# KiCad board reform2-motherboard.kicad_pcb (continued)
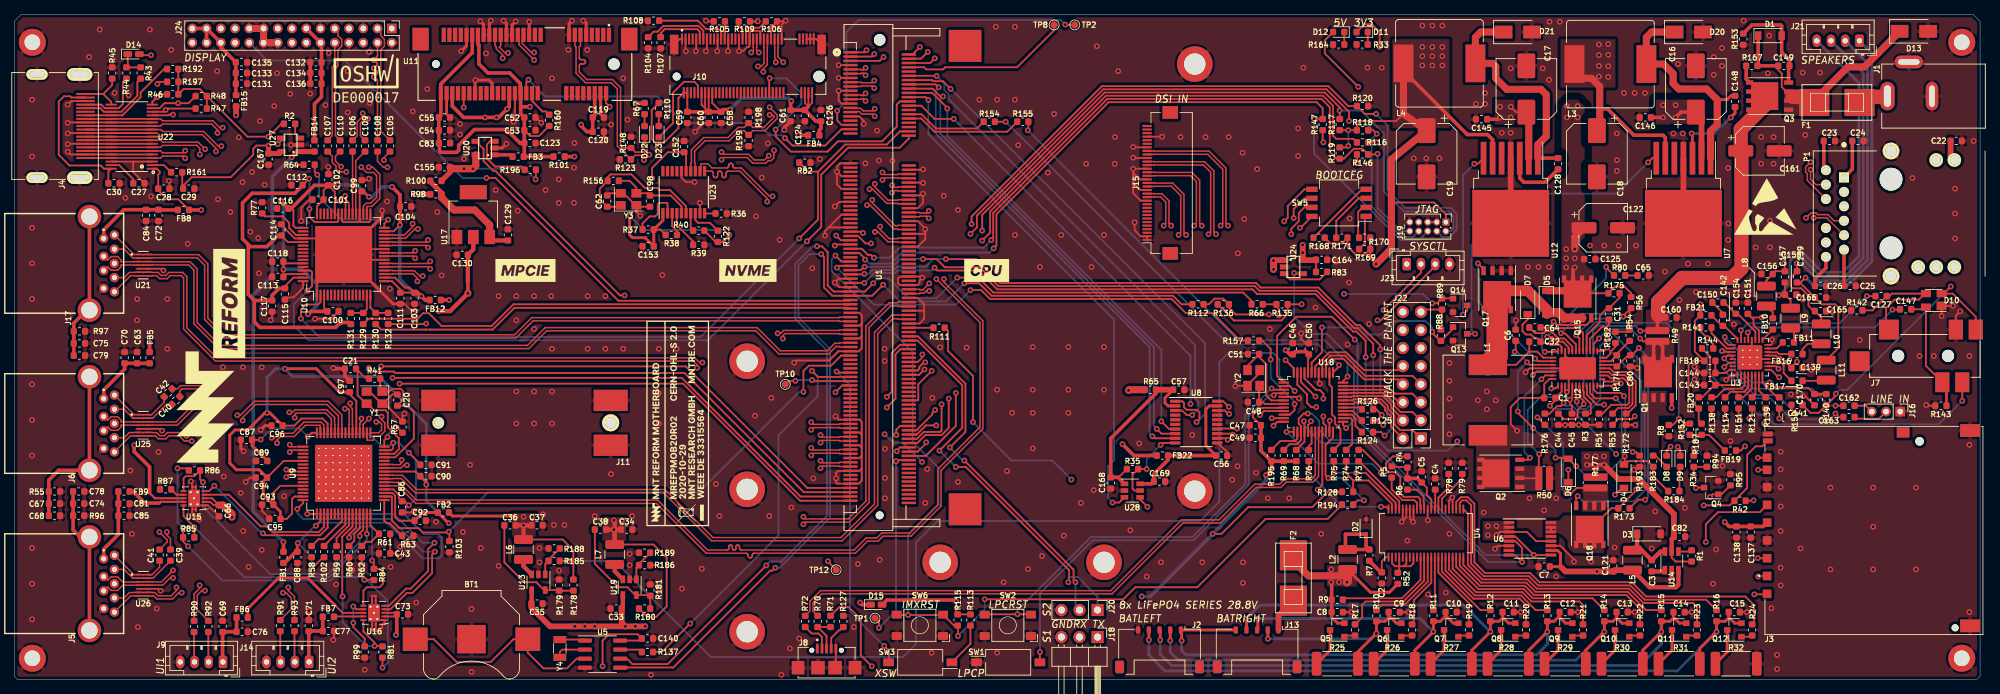
[diagram p0: board, top side]
## Nets (continued)
GND: BT1.2 C2.2 C4.2 C5.2 C6.1 C7.2 C8.2 C9.2 C10.2 C11.2 C12.2 C13.2 C14.2 C15.2 C16.2 C17.2 C18.2 C19.2 C20.2 C21.2 C22.2 C23.2 C24.2 C25.2 C26.2 C27.1 C28.1 C29.2 C30.2 C33.2 C34.2 C35.2 C37.2 C43.2 C44.1 C45.1 C46.2 C47.2 C48.2 C49.2 C50.2 C51.2 C52.2 C53.2 C54.2 C55.2 C56.2 C57.2 C58.2 C59.2 C60.2 C61.2 C62.2 C63.2 C65.1 C66.2 C67.2 C68.2 C69.2 C70.2 C71.2 C72.2 C73.2 C74.2 C75.2 C76.2 C77.2 C78.2 C79.2 C80.1 C81.2 C82.1 C83.2 C84.2 C85.2 C86.2 C87.2 C88.2 C89.2 C90.2 C91.2 C92.2 C93.2 C94.2 C95.2 C96.2 C97.2 C98.2 C99.2 C100.2 C101.2 C102.2 C103.2 C104.2 C111.2 C112.2 C113.2 C114.2 C115.2 C116.2 C117.2 C118.2 C119.2 C120.2 C121.1 C122.2 C123.2 C124.2 C125.2 C126.2 C129.2 C130.2 C131.2 C132.2 C133.2 C134.2 C135.2 C136.2 C137.2 C138.2 C139.2 C140.1 C142.2 C143.2 C144.1 C145.1 C146.1 C150.2 C151.2 C152.2 C153.2 C154.2 C155.2 C156.2 C158.2 C160.2 C161.2 C164.2 C165.2 C166.2 C167.2 C168.2 C169.2 C170.2 D2.2 D3.2 D10.1 D13.2 D20.2 D21.2 H1.1 H2.1 H3.1 H5.1 H6.1 H7.1 H8.1 H22.1 H24.1 H25.1 H27.1 J1.2 J1.3 J2.5 J3.3 J3.6 J3.12 J3.13 J4.2 J4.5 J4.8 J4.11 J4.17 J4.SH J5.4 J5.7 J6.4 J6.7 J7.4 J8.5 J8.6 J9.4 J10.1 J10.3 J10.9 J10.15 J10.21 J10.27 J10.33 J10.39 J10.45 J10.51 J10.57 J10.71 J10.73 J10.75 J10.S1 J10.S2 J11.1 J11.2 J11.3 J11.4 J14.4 J15.1 J15.2 J15.12 J15.15 J15.18 J15.21 J15.24 J15.27 J15.30 J16.1 J17.4 J17.7 J18.3 J19.3 J19.5 J19.9 J20.3 J22.16 J23.4 J24.2 J24.5 J24.8 J24.11 J24.18 J24.19 J24.20 J24.21 P1.SH1 P1.SH2 Q4.2 Q13.2 Q14.2 Q17.1 Q17.2 Q17.3 R3.1 R8.1 R32.1 R33.1 R36.1 R39.1 R45.2 R50.2 R51.1 R55.2 R57.2 R58.2 R59.2 R60.2 R62.2 R63.2 R77.1 R78.2 R79.2 R82.2 R87.2 R94.1 R95.1 R96.2 R97.2 R99.2 R103.1 R104.2 R105.2 R106.2 R107.2 R108.2 R109.2 R120.2 R123.1 R127.1 R142.2 R143.2 R148.1 R153.1 R164.1 R172.2 R179.2 R181.2 R188.2 R189.2 R193.1 R198.1 R199.1 SW1.1 SW2.1 SW6.1 U1.7 U1.13 U1.19 U1.25 U1.31 U1.41 U1.44 U1.47 U1.50 U1.53 U1.56 U1.59 U1.62 U1.65 U1.68 U1.71 U1.74 U1.80 U1.94 U1.95 U1.98 U1.99 U1.104 U1.110 U1.111 U1.116 U1.117 U1.123 U1.129 U1.161 U1.167 U1.173 U1.179 U1.185 U1.191 U2.3 U2.4 U2.29 U2.35 U2.39 U3.9 U3.20 U3.24 U3.28 U3.33 U4.26 U4.27 U4.33 U4.37 U4.38 U4.39 U4.40 U5.4 U6.6 U6.11 U7.4 U7.8 U8.11 U9.65 U10.1 U10.23 U10.26 U10.52 U10.64 U10.65 U11.4 U11.9 U11.15 U11.18 U11.21 U11.26 U11.27 U11.29 U11.34 U11.35 U11.37 U11.40 U11.43 U11.50 U12.4 U12.8 U13.2 U14.2 U15.1 U15.11 U16.1 U16.11 U17.1 U18.5 U18.41 U19.2 U20.2 U21.5 U21.10 U22.3 U22.5 U22.8 U22.11 U22.14 U22.25 U22.28 U22.31 U22.34 U22.36 U23.9 U23.16 U24.2 U25.5 U25.10 U26.5 U26.10 U27.2 U28.2 Y1.2 Y1.4 Y2.2 Y2.4 Y3.2 Y3.4
/Reform 2 Display/EDAUXN: C107.2 U10.35
/Reform 2 Display/EDAUXP: C110.2 U10.34
/Reform 2 Display/EDP_BL_VCC: C131.1 C133.1 C135.1 FB15.2 J24.26 J24.27 J24.28 J24.29
/Reform 2 Display/EDP_HPD: J24.17 R64.1
/Reform 2 Display/EDP_LCD_TEST: J24.14
/Reform 2 Display/EDP_LCD_VCC: C132.1 C134.1 C136.1 FB14.2 J24.12 J24.13
/Reform 2 Display/ML0N: C106.2 U10.38
/Reform 2 Display/ML0P: C109.2 U10.37
/Reform 2 Display/ML1N: C105.2 U10.40
/Reform 2 Display/ML1P: C108.2 U10.39
/Reform 2 PCIe/M2_CLKREQn: J10.52
/Reform 2 PCIe/M2_SMB_ALERTn: J10.44
/Reform 2 PCIe/M2_SMB_CLK: J10.40
/Reform 2 PCIe/M2_SMB_DATA: J10.42
/Reform 2 PCIe/PCICLKGEN_XI: C98.1 R156.2 U23.5 Y3.3
/Reform 2 PCIe/PCICLKGEN_XO: C62.1 R156.1 U23.6 Y3.1
/Reform 2 PCIe/RCLKC_N: J10.53 R199.2 U23.13
/Reform 2 PCIe/RCLKC_P: J10.55 R198.2 U23.14
/Reform 2 Power/BAT1FUSED: C8.1 F2.1 L2.1 Q5.2 R9.1 R52.2 U6.1 U6.2 U6.3 U6.12
/Reform 2 Power/CHG_INTVCC: C6.2 D4.2 D6.2 R183.1 R184.1 U2.10 U2.34
/Reform 2 Power/LPC_AD5: J22.7 U18.40
/Reform 2 Power/LPC_AD7: J22.10 U18.42
/Reform 2 Power/LPC_MISO0: R124.1 U18.27
/Reform 2 Power/LPC_MISO1a: J22.2 U18.30
/Reform 2 Power/LPC_MISO1b: R74.2 U18.26
/Reform 2 Power/LPC_MOSI0: R125.1 U18.28
/Reform 2 Power/LPC_MOSI1a: J22.14 U18.17
/Reform 2 Power/LPC_MOSI1b: R75.2 U18.38
/Reform 2 Power/LPC_PIO1_16: Q14.1 R89.1 U18.48
/Reform 2 Power/LPC_RXDa: J22.12 U18.46
/Reform 2 Power/LPC_RXDc: J23.3 U18.11
/Reform 2 Power/LPC_SCK0a: R126.1 U18.29
/Reform 2 Power/LPC_SCK0b: J22.1 U18.31
/Reform 2 Power/LPC_SCK1a: Q13.1 R88.1 U18.43
/Reform 2 Power/LPC_SCK1b: R73.2 U18.13
/Reform 2 Power/LPC_SCLKa: J22.9 U18.45
/Reform 2 Power/LPC_SCLKc: R194.2 U18.24
/Reform 2 Power/LPC_SSEL0: R157.1 U18.10
/Reform 2 Power/LPC_SSEL1: R76.2 U18.18
/Reform 2 Power/LPC_SWDIO: J22.8 U18.39
/Reform 2 Power/LPC_TDI: J22.4 U18.32
/Reform 2 Power/LPC_TDO: J22.6 U18.34
/Reform 2 Power/LPC_TMS: J22.3 U18.33
/Reform 2 Power/LPC_TXDa: J22.11 U18.47
/Reform 2 Power/LPC_TXDc: J23.2 U18.12
/Reform 2 Power/LPC_UFTOGG: SW1.2 U18.4
/Reform 2 Power/LPC_UVBUS: R195.2 U18.14
/Reform 2 Power/LPC_VCC: C7.1 C46.1 C47.1 C49.1 C50.1 C121.2 C140.2 J22.15 J23.1 L5.2 R68.1 R69.1 R71.1 R88.2 R89.2 R128.2 R195.1 U5.8 U6.10 U14.3 U18.8 U18.44
/Reform 2 Power/LPC_~{DTR}: R185.1 U18.2
/Reform 2 Power/LPC_~{RESET}: SW2.2 U18.3
/Reform 2 Power/LPC_~{TRST}: J22.5 U18.35
/Reform 2 Power/LPC_~{USBCON}: J22.13 U18.22
/Reform 2 Power/LPCUD_N: R72.2 U18.19
/Reform 2 Power/LPCUD_P: R70.2 U18.20
/Reform 2 Power/VREG: C5.1 R4.1 R5.1 R6.1 U4.32
/Reform 2 USB/USB3_1_SSTXCN: C40.2 J6.8 U25.2 U25.13
/Reform 2 USB/USB3_1_SSTXCP: C42.2 J6.9 U25.1 U25.14
/Reform 2 USB/USB3_2_SSTXCN: C39.2 J5.8 U26.2 U26.13
/Reform 2 USB/USB3_2_SSTXCP: C41.2 J5.9 U26.1 U26.14
AUX_PWR_EN: U18.23 U27.4
BACKLIGHT_EN: J24.22 U1.105
BACKLIGHT_PWM: J24.23 U1.164
BAT1+: F2.2 J13.1
BAT2+: C9.1 J13.2 Q6.2 R10.1 R25.1
BAT3+: C10.1 J13.3 Q7.2 R11.1 R26.1
BAT4+: C11.1 J13.4 Q8.2 R12.1 R27.1
BAT5+: C12.1 J2.1 J13.5 Q9.2 R13.1 R28.1
BAT6+: C13.1 J2.2 Q10.2 R14.1 R29.1
BAT7+: C14.1 J2.3 Q11.2 R15.1 R30.1
BAT8+: C15.1 J2.4 Q12.2 R16.1 R31.1
BMON_CS: R76.1 U4.44
BMON_SCK: R73.1 U4.41
BMON_SDI: R75.1 U4.42
BMON_SDO: R74.1 R128.1 U4.43
BOOTCFG_4: SW5.8 U1.152
BOOTCFG_10: SW5.5 U1.134
BOOTCFG_12: SW5.6 U1.138
BOOTCFG_13: SW5.7 U1.140
CHG_RNG: Q4.1 R95.2 U18.1
CHG_STAT1: D8.1 U2.12
CHG_STAT2: D9.1 U2.13
DAC_BCLK: R114.1 U1.170
DAC_DIN: R150.1 U1.166
DAC_DOUT: R121.1 U1.178
DAC_MCLK: R138.2 U1.176
DAC_RXFS: R139.1 U1.168
DAC_SCL: R66.1 U1.101 U5.6
DAC_SDA: R112.1 U1.103 U5.5
DAC_TXFS: R151.1 U1.172
DSI_CLK_N: J15.19 U10.25
DSI_CLK_P: J15.20 U10.24
DSI_D0_N: J15.25 U10.20
DSI_D0_P: J15.26 U10.19
DSI_D1_N: J15.22 U10.22
DSI_D1_P: J15.23 U10.21
DSI_D2_N: J15.16 U10.28
DSI_D2_P: J15.17 U10.27
DSI_D3_N: J15.13 U10.30
DSI_D3_P: J15.14 U10.29
EDP_AUX_DN: C107.1 J24.10
EDP_AUX_DP: C110.1 J24.9
EDP_IRQ: U1.40 U10.61
EDP_RESETn: R82.1 U1.38 U10.2
EDP_SCL: R129.2 U1.107
EDP_SDA: R130.2 U1.109
EDP_TX0_DN: C106.1 J24.6
EDP_TX0_DP: C109.1 J24.7
EDP_TX1_DN: C105.1 J24.3
EDP_TX1_DP: C108.1 J24.4
ETH0_A+: P1.11 U1.29
ETH0_A-: P1.10 U1.27
ETH0_B+: P1.4 U1.23
ETH0_B-: P1.5 U1.21
ETH0_C+: P1.3 U1.17
ETH0_C-: P1.2 U1.15
ETH0_D+: P1.8 U1.11
ETH0_D-: P1.9 U1.9
ETH0_LED_LINK1: J19.6 R147.2 U1.83
ETH0_LED_LINK2: J19.10 R119.2 R146.2 U1.81
ETH0_LED_RX: R116.2 U1.79
HDMI_CEC: R197.1 U1.197 U22.16
HDMI_CLK+: J4.10 U1.165 U22.13 U22.26
HDMI_CLK-: J4.12 U1.163 U22.15 U22.24
HDMI_D0+: J4.7 U1.171 U22.10 U22.29
HDMI_D0-: J4.9 U1.169 U22.12 U22.27
HDMI_D1+: J4.4 U1.177 U22.7 U22.32
HDMI_D1-: J4.6 U1.175 U22.9 U22.30
HDMI_D2+: J4.1 U1.183 U22.4 U22.35
HDMI_D2-: J4.3 U1.181 U22.6 U22.33
HDMI_HPD: R46.1 U1.199 U22.19
HDMI_SCL: R47.1 U1.195 U22.17
HDMI_SDA: R48.1 U1.193 U22.18
IMX_JTAG_TCK: J19.4 R120.1 U1.73
IMX_JTAG_TDI: J19.8 R118.2 U1.75
IMX_JTAG_TMS: J19.2 R117.2 U1.77
IMX_PWM4: TP1.1 U1.180
IMX_RESETn: R115.2 R194.1 SW6.2 U1.87
IMX_RTC_IRQ: R137.1 U1.141
IMX_UART1_RX: J18.2 U1.126
IMX_UART1_TX: J18.1 U1.128
IMX_UART2_RX: J20.2 U1.122
IMX_UART2_TX: J20.1 U1.124
IMX_WAKE: U1.145 U18.21
INA_SCL: R69.2 U6.4 U6.9 U18.15
INA_SDA: R68.2 U6.5 U6.8 U18.16
LPC_MISO: R124.2 U1.93
LPC_MOSI: R125.2 U1.91
LPC_SCK: R126.2 U1.97
LPC_SS0: R157.2 U1.89
LPC_UART2_RX: R154.1 U18.37
LPC_UART2_TX: R155.2 U18.36
PCIE1_CLK_N: R148.2 U1.60 U11.11
PCIE1_CLK_P: R123.2 U1.58 U11.13
PCIE1_PWR_EN: R186.1 U18.9 U20.4
PCIE1_RESETn: U1.37 U11.22
PCIE1_RX_N: U1.54 U11.23
PCIE1_RX_P: U1.52 U11.25
PCIE1_TX_N: U1.48 U11.31
PCIE1_TX_P: U1.46 U11.33
PCIE2_CLK_N: U1.66 U23.11
PCIE2_CLK_P: U1.64 U23.12
PCIE2_RESETn: J10.50 U1.24
PCIE2_RX_N: J10.41 U1.78
PCIE2_RX_P: J10.43 U1.76
PCIE2_TX_N: J10.47 U1.72
PCIE2_TX_P: J10.49 U1.70
SD2_CD: J3.10 R42.2 U1.26
SD2_CLK: U1.22 U28.3
SD2_CMD: U1.20 U8.7
SD2_DATA0: U1.12 U8.3
SD2_DATA1: U1.14 U8.1
SD2_DATA2: U1.16 U8.9
SD2_DATA3: U1.18 U8.8
USB1_DN: U1.100 U9.22
USB1_DP: U1.102 U9.21
USB1_RX_N: U1.112 U9.24
USB1_RX_P: U1.114 U9.23
USB1_TX_N: U1.106 U9.27
USB1_TX_P: U1.108 U9.26
USB2_DN: J17.2 U1.125 U21.3 U21.12
USB2_DP: J17.3 U1.127 U21.4 U21.11
USB2_RX_N: J17.5 U1.121 U21.7 U21.8
USB2_RX_P: J17.6 U1.119 U21.6 U21.9
USB2_TX_N: J17.8 U1.115 U21.2 U21.13
USB2_TX_P: J17.9 U1.113 U21.1 U21.14
USB3_1_DN: J6.2 U9.34 U25.3 U25.12
USB3_1_DP: J6.3 U9.33 U25.4 U25.11
USB3_1_EN: U9.4 U15.5
USB3_1_OVERCURn: R86.1 U9.14 U15.6
USB3_1_SSRXN: J6.5 U9.39 U25.7 U25.8
USB3_1_SSRXP: J6.6 U9.38 U25.6 U25.9
USB3_1_SSTXN: C40.1 U9.36
USB3_1_SSTXP: C42.1 U9.35
USB3_1_VBUS: FB5.1 U15.8
USB3_2_DN: J5.2 U9.42 U26.3 U26.12
USB3_2_DP: J5.3 U9.41 U26.4 U26.11
USB3_2_EN: U9.3 U15.4
USB3_2_OVERCURn: R85.1 U9.15 U15.10
USB3_2_SSRXN: J5.5 U9.47 U26.7 U26.8
USB3_2_SSRXP: J5.6 U9.46 U26.6 U26.9
USB3_2_SSTXN: C39.1 U9.44
USB3_2_SSTXP: C41.1 U9.43
USB3_2_VBUS: FB9.1 U15.9
USB3_3_DN: R92.1 U9.50
USB3_3_DP: R90.1 U9.49
USB3_3_EN: U9.1 U16.5
USB3_3_OVERCURn: R84.1 U9.12 U16.6
USB3_3_SSRXN: U9.55
USB3_3_SSRXP: U9.54
USB3_3_SSTXN: U9.52
USB3_3_SSTXP: U9.51
USB3_3_VBUS: FB6.1 U16.8
USB3_4_DN: R93.1 U9.57
USB3_4_DP: R91.1 U9.56
USB3_4_EN: U9.64 U16.4
USB3_4_OVERCURn: R81.1 U9.11 U16.10
USB3_4_SSRXN: U9.62
USB3_4_SSRXP: U9.61
USB3_4_SSTXN: U9.59
USB3_4_SSTXP: U9.58
USB3_4_VBUS: FB7.1 U16.9
USB_PWR: C28.2 C43.1 C66.1 C73.1 D14.2 FB8.1 FB15.1 R61.2 R111.1 R152.1 U15.2 U15.3 U16.2 U16.3 U22.1 U24.1
USB_PWR_EN: U18.25 U24.4
USB_RESETn: R103.2 U1.131 U9.18
Net-(BT1-Pad1): BT1.1 U5.3
Net-(C1-Pad1): C1.1 D4.1 U2.2
Net-(C1-Pad2): C1.2 L1.1 Q1.1 Q1.2 Q1.3 Q2.5 Q2.6 Q2.7 Q2.8 U2.38
Net-(C2-Pad1): C2.1 R7.2 U4.1
Net-(C3-Pad1): C3.1 D3.1 L5.1 U14.6
Net-(C3-Pad2): C3.2 U14.1
Net-(C4-Pad1): C4.1 U4.31
Net-(C20-Pad1): C20.1 R41.1 U9.29 Y1.1
Net-(C21-Pad1): C21.1 R41.2 U9.30 Y1.3
Net-(C23-Pad1): C23.1 P1.7
Net-(C24-Pad1): C24.1 P1.1
Net-(C25-Pad1): C25.1 P1.6
Net-(C26-Pad1): C26.1 P1.12
Net-(C27-Pad2): C27.2 U22.37
Net-(C30-Pad1): C30.1 J4.18 U22.38
Net-(C31-Pad1): C31.1 R176.2 U2.22
Net-(C31-Pad2): C31.2 R175.2 U2.23
Net-(C32-Pad1): C32.1 D6.1 D7.1 U2.30
Net-(C32-Pad2): C32.2 D5.2 D7.2 L1.2 Q15.1 Q15.2 Q15.3 Q17.5 Q17.6 Q17.7 Q17.8 U2.32
Net-(C36-Pad2): C36.2 R178.2 R179.1 U13.5
Net-(C38-Pad2): C38.2 R180.2 R181.1 U19.5
Net-(C45-Pad2): C45.2 Q2.1 Q2.2 Q2.3 R50.1 U2.5
Net-(C48-Pad1): C48.1 U18.7 Y2.1
Net-(C51-Pad1): C51.1 U18.6 Y2.3
Net-(C63-Pad1): C63.1 C70.1 FB5.2 J6.1
Net-(C64-Pad1): C64.1 U2.24
Net-(C64-Pad2): C64.2 U2.27
Net-(C65-Pad2): C65.2 R80.1
Net-(C67-Pad1): C67.1 C68.1 J6.10 R55.1
Net-(C69-Pad1): C69.1 C76.1 FB6.2 J9.1
Net-(C71-Pad1): C71.1 C77.1 FB7.2 J14.1
Net-(C72-Pad1): C72.1 C84.1 FB8.2 J17.1
Net-(C74-Pad1): C74.1 C78.1 J5.10 R96.1
Net-(C75-Pad1): C75.1 C79.1 J17.10 R97.1
Net-(C80-Pad2): C80.2 R173.1 R174.2 U2.17
Net-(C81-Pad1): C81.1 C85.1 FB9.2 J5.1
Net-(C86-Pad1): C86.1 C87.1 C88.1 C89.1 C91.1 FB1.2 R102.1 U9.2 U9.20 U9.31 U9.48
Net-(C90-Pad1): C90.1 C92.1 C93.1 C94.1 C95.1 C96.1 C97.1 FB2.2 U9.19 U9.25 U9.37 U9.45 U9.53 U9.60 U9.63
Net-(C100-Pad1): C99.1 C100.1 C101.1 C102.1 C103.1 C104.1 C111.1 C113.1 C116.1 C118.1 FB12.2 U10.3 U10.17 U10.18 U10.31 U10.33 U10.36 U10.41 U10.43 U10.48 U10.49 U10.59 U10.62
Net-(C123-Pad1): C52.1 C53.1 C54.1 C55.1 C83.1 C123.1 FB3.2 R67.1 R101.2 R160.1 U11.2 U11.24 U11.39 U11.41 U11.52
Net-(C124-Pad1): C58.1 C59.1 C60.1 C61.1 C124.1 C126.1 FB4.2 J10.2 J10.4 J10.12 J10.14 J10.16 J10.18 J10.70 J10.72 J10.74 R110.1
Net-(C127-Pad1): C127.1 D10.3 J7.2 R142.1
Net-(C127-Pad2): C127.2 U3.31
Net-(C128-Pad1): C128.1 D21.1 L4.1 U12.1
Net-(C128-Pad2): C128.2 U12.3
Net-(C129-Pad1): C129.1 R98.1 R100.1 U17.3
Net-(C137-Pad1): C56.1 C137.1 C138.1 C169.1 FB22.2 J3.4 R42.1 U8.19 U28.6
Net-(C139-Pad1): C139.1 C151.1 FB19.2 U3.21 U3.26
Net-(C141-Pad1): C141.1 D10.2 J7.1 R140.2
Net-(C141-Pad2): C141.2 U3.4
Net-(C142-Pad1): C142.1 FB21.2 U3.32
Net-(C143-Pad1): C143.1 FB20.2 R144.1 U3.10
Net-(C144-Pad2): C144.2 FB18.2 U3.8
Net-(C147-Pad1): C147.1 D10.4 J7.3 R143.1
Net-(C147-Pad2): C147.2 U3.29
Net-(C148-Pad1): C148.1 D20.1 L3.1 U7.1
Net-(C148-Pad2): C148.2 U7.3
Net-(C149-Pad1): C149.1 D1.1 D13.1 F1.2 Q3.1 Q3.2 Q3.3 R167.2
Net-(C149-Pad2): C149.2 D1.2 Q3.4 R153.2
Net-(C150-Pad1): C150.1 C154.1 U3.27
Net-(C152-Pad1): C152.1 C153.1 R37.1 R38.1 R40.1 R101.1 R122.1 U23.1 U23.15
Net-(C156-Pad1): C156.1 C157.1 J21.4 L8.2
Net-(C157-Pad2): C157.2 C158.1 J21.3 L9.2
Net-(C159-Pad1): C159.1 C165.1 J21.2 L10.2
Net-(C159-Pad2): C159.2 C166.1 J21.1 L11.2
Net-(C160-Pad1): C44.2 C160.1 C161.1 Q3.5 Q3.6 Q3.7 Q3.8 R34.2 R49.1 R167.1 U2.7 U2.36
Net-(C162-Pad1): C162.1 U3.3
Net-(C162-Pad2): C162.2 J16.3
Net-(C163-Pad1): C163.1 U3.6
Net-(C163-Pad2): C163.2 J16.2
Net-(C168-Pad1): C57.1 C168.1 R35.1 R65.1 U8.2 U28.1
Net-(C170-Pad1): C170.1 R140.1 U3.1
Net-(D2-Pad1): D2.1 L2.2 R7.1
Net-(D8-Pad2): D8.2 R183.2
Net-(D9-Pad2): D9.2 R184.2
Net-(D11-Pad1): D11.1 R33.2
Net-(D12-Pad1): D12.1 R164.2
Net-(D14-Pad1): D14.1 R43.1 R44.1
Net-(D15-Pad1): D15.1 R81.2 R84.2 R85.2 R86.2
Net-(D22-Pad1): D22.1 U11.44
Net-(D22-Pad2): D22.2 R67.2
Net-(D23-Pad1): D23.1 J10.10
Net-(D23-Pad2): D23.2 R110.2
Net-(FB3-Pad1): FB3.1 U20.1
Net-(FB10-Pad1): FB10.1 U3.25
Net-(FB10-Pad2): FB10.2 L8.1
Net-(FB11-Pad1): FB11.1 U3.23
Net-(FB11-Pad2): FB11.2 L9.1
Net-(FB16-Pad1): FB16.1 U3.22
Net-(FB16-Pad2): FB16.2 L10.1
Net-(FB17-Pad1): FB17.1 U3.19
Net-(FB17-Pad2): FB17.2 L11.1
Net-(FB19-Pad1): FB19.1 R152.2 R187.2
Net-(J3-Pad1): J3.1 U8.13
Net-(J3-Pad2): J3.2 U8.14
Net-(J3-Pad5): J3.5 U28.4
Net-(J3-Pad7): J3.7 U8.18
Net-(J3-Pad8): J3.8 U8.20
Net-(J3-Pad9): J3.9 U8.12
Net-(J3-Pad11): J3.11
Net-(J4-Pad13): J4.13 R192.2 U22.23
Net-(J4-Pad14): J4.14
Net-(J4-Pad15): J4.15 R43.2 U22.22
Net-(J4-Pad16): J4.16 R44.2 U22.21
Net-(J4-Pad19): J4.19 R45.1 U22.20
Net-(J7-Pad5): J7.5
Net-(J7-Pad6): J7.6 R141.1 R144.2
Net-(J8-Pad1): J8.1
Net-(J8-Pad2): J8.2 R72.1
Net-(J8-Pad3): J8.3 R70.1 R71.2
Net-(J8-Pad4): J8.4 R127.2
Net-(J9-Pad2): J9.2 R92.2
Net-(J9-Pad3): J9.3 R90.2
Net-(J10-Pad5): J10.5
Net-(J10-Pad6): J10.6
Net-(J10-Pad7): J10.7
Net-(J10-Pad8): J10.8
Net-(J10-Pad11): J10.11 R107.1
Net-(J10-Pad13): J10.13 R104.1
Net-(J10-Pad17): J10.17
Net-(J10-Pad19): J10.19
Net-(J10-Pad20): J10.20
Net-(J10-Pad22): J10.22
Net-(J10-Pad23): J10.23 R108.1
Net-(J10-Pad24): J10.24
Net-(J10-Pad25): J10.25 R105.1
Net-(J10-Pad26): J10.26
Net-(J10-Pad28): J10.28
Net-(J10-Pad29): J10.29
Net-(J10-Pad30): J10.30
Net-(J10-Pad31): J10.31
Net-(J10-Pad32): J10.32
Net-(J10-Pad34): J10.34
Net-(J10-Pad35): J10.35 R109.1
Net-(J10-Pad36): J10.36
Net-(J10-Pad37): J10.37 R106.1
Net-(J10-Pad38): J10.38
Net-(J10-Pad46): J10.46
Net-(J10-Pad48): J10.48
Net-(J10-Pad54): J10.54
Net-(J10-Pad56): J10.56
Net-(J10-Pad58): J10.58
Net-(J10-Pad67): J10.67
Net-(J10-Pad68): J10.68
Net-(J10-Pad69): J10.69
Net-(J14-Pad2): J14.2 R93.2
Net-(J14-Pad3): J14.3 R91.2
Net-(J15-Pad3): J15.3
Net-(J15-Pad4): J15.4
Net-(J15-Pad5): J15.5
Net-(J15-Pad6): J15.6
Net-(J15-Pad7): J15.7
Net-(J15-Pad8): J15.8
Net-(J15-Pad9): J15.9
Net-(J15-Pad10): J15.10
Net-(J15-Pad11): J15.11
Net-(J15-Pad28): J15.28
Net-(J15-Pad29): J15.29
Net-(J15-Pad31): J15.31
Net-(J15-Pad32): J15.32
Net-(J15-Pad33): J15.33
Net-(J19-Pad7): J19.7
Net-(J24-Pad1): J24.1
Net-(J24-Pad15): J24.15
Net-(J24-Pad16): J24.16
Net-(J24-Pad24): J24.24
Net-(J24-Pad25): J24.25
Net-(J24-Pad30): J24.30
Net-(L6-Pad1): L6.1 U13.3
Net-(L7-Pad1): L7.1 U19.3
Net-(P1-Pad13): P1.13 R116.1
Net-(P1-Pad15): P1.15 R146.1
Net-(P1-Pad17): P1.17 R147.1
Net-(Q1-Pad4): Q1.4 U2.1
Net-(Q1-Pad5): Q1.5 Q1.6 Q1.7 Q1.8 R49.2 U2.6
Net-(Q2-Pad4): Q2.4 U2.37
Net-(Q4-Pad3): Q4.3 R53.1
Net-(Q5-Pad1): Q5.1 R17.1
Net-(Q5-Pad3): Q5.3 R25.2
Net-(Q6-Pad1): Q6.1 R18.1
Net-(Q6-Pad3): Q6.3 R26.2
Net-(Q7-Pad1): Q7.1 R19.1
Net-(Q7-Pad3): Q7.3 R27.2
Net-(Q8-Pad1): Q8.1 R20.1
Net-(Q8-Pad3): Q8.3 R28.2
Net-(Q9-Pad1): Q9.1 R21.1
Net-(Q9-Pad3): Q9.3 R29.2
Net-(Q10-Pad1): Q10.1 R22.1
Net-(Q10-Pad3): Q10.3 R30.2
Net-(Q11-Pad1): Q11.1 R23.1
Net-(Q11-Pad3): Q11.3 R31.2
Net-(Q12-Pad1): Q12.1 R24.1
Net-(Q12-Pad3): Q12.3 R32.2
Net-(Q13-Pad3): Q13.3 U7.7
Net-(Q14-Pad3): Q14.3 U12.7
Net-(Q15-Pad4): Q15.4 U2.31
Net-(Q17-Pad4): Q17.4 U2.33
Net-(Q18-Pad1): Q18.1 Q18.2 Q18.3 R176.1 R177.2
Net-(Q18-Pad4): Q18.4 U2.21
Net-(Q18-Pad5): Q18.5 Q18.6 Q18.7 Q18.8 R173.2 U2.20 U6.14 U6.15 U6.16
Net-(R1-Pad1): R1.1 U14.4
Net-(R2-Pad1): R2.1 U27.3
Net-(R3-Pad2): R3.2 U2.8
Net-(R4-Pad2): R4.2 U4.35
Net-(R5-Pad2): R5.2 U4.36
Net-(R6-Pad2): R6.2 U4.34
Net-(R8-Pad2): R8.2 U2.25
Net-(R9-Pad2): R9.2 U4.10
Net-(R10-Pad2): R10.2 U4.12
Net-(R11-Pad2): R11.2 U4.14
Net-(R12-Pad2): R12.2 U4.16
Net-(R13-Pad2): R13.2 U4.18
Net-(R14-Pad2): R14.2 U4.20
Net-(R15-Pad2): R15.2 U4.22
Net-(R16-Pad2): R16.2 U4.24
Net-(R17-Pad2): R17.2 U4.11
Net-(R18-Pad2): R18.2 U4.13
Net-(R19-Pad2): R19.2 U4.15
Net-(R20-Pad2): R20.2 U4.17
Net-(R21-Pad2): R21.2 U4.19
Net-(R22-Pad2): R22.2 U4.21
Net-(R23-Pad2): R23.2 U4.23
Net-(R24-Pad2): R24.2 U4.25
Net-(R34-Pad1): R34.1 R94.2 U2.9
Net-(R35-Pad2): R35.2 U8.10 U28.5
Net-(R36-Pad2): R36.2 U23.10
Net-(R37-Pad2): R37.2 U23.2
Net-(R38-Pad2): R38.2 U23.3
Net-(R39-Pad2): R39.2 U23.4
Net-(R40-Pad2): R40.2 U23.7
Net-(R51-Pad2): R51.2 U2.14
Net-(R52-Pad1): R52.1 U4.2 U4.4 U4.6 U4.8
Net-(R53-Pad2): R53.2 U2.15
Net-(R57-Pad1): R57.1 U9.32
Net-(R58-Pad1): R58.1 U9.8
Net-(R59-Pad1): R59.1 U9.10
Net-(R60-Pad1): R60.1 U9.13
Net-(R61-Pad1): R61.1 R62.1 U9.16
Net-(R63-Pad1): R63.1 U9.17
Net-(R64-Pad2): R64.2 U10.32
Net-(R77-Pad2): R77.2 U10.51
Net-(R78-Pad1): R78.1 U4.30
Net-(R79-Pad1): R79.1 U4.29
Net-(R80-Pad2): R80.2 U2.28
Net-(R83-Pad1): R83.1 U24.3
Net-(R87-Pad1): R87.1 U15.7
Net-(R99-Pad1): R99.1 U16.7
Net-(R102-Pad2): R102.2 U9.9
Net-(R111-Pad2): R111.2 U1.118
Net-(R112-Pad2): R112.2 R136.2 U3.18
Net-(R113-Pad1): R113.1 SW3.1
Net-(R114-Pad2): R114.2 U3.12
Net-(R121-Pad2): R121.2 U3.14
Net-(R122-Pad2): R122.2 U23.8
Net-(R129-Pad1): R129.1 R131.1 U10.15
Net-(R130-Pad1): R130.1 R132.1 U10.16
Net-(R135-Pad2): R66.2 R135.2 U3.17
Net-(R137-Pad2): R137.2 U5.7
Net-(R138-Pad1): R138.1 U3.11
Net-(R139-Pad2): R139.2 U3.15
Net-(R141-Pad2): R141.2 U3.2
Net-(R150-Pad2): R150.2 U3.16
Net-(R151-Pad2): R151.2 U3.13
Net-(R154-Pad2): R154.2 U1.30
Net-(R155-Pad1): R155.1 U1.32
Net-(R160-Pad2): R160.2 U11.20
Net-(R161-Pad2): R161.2 U22.2
Net-(R168-Pad2): R168.2 SW5.4
Net-(R169-Pad1): R169.1 SW5.1
Net-(R170-Pad1): R170.1 SW5.2
Net-(R171-Pad1): R171.1 SW5.3
Net-(R172-Pad1): R172.1 U2.16
Net-(R174-Pad1): R54.1 R174.1 U2.18
Net-(R182-Pad1): R182.1 U2.19
Net-(R182-Pad2): R54.2 R56.2 R182.2 U2.26
Net-(R185-Pad2): R185.2 R188.1 U13.1
Net-(R186-Pad2): R186.2 R189.1 U19.1
Net-(R193-Pad2): R193.2 U2.11
Net-(R196-Pad1): R196.1 U20.3
Net-(SW3-Pad2): SW3.2 U1.139
Net-(TP2-Pad1): TP2.1 U1.35
Net-(TP8-Pad1): TP8.1 U1.8
Net-(TP10-Pad1): TP10.1 U1.143
Net-(TP12-Pad1): TP12.1 U1.174
Net-(U1-Pad10): U1.10
Net-(U1-Pad28): U1.28
Net-(U1-Pad33): U1.33
Net-(U1-Pad34): U1.34
Net-(U1-Pad36): U1.36
Net-(U1-Pad39): U1.39
Net-(U1-Pad42): U1.42
Net-(U1-Pad43): U1.43
Net-(U1-Pad45): U1.45
Net-(U1-Pad49): U1.49
Net-(U1-Pad51): U1.51
Net-(U1-Pad55): U1.55
Net-(U1-Pad57): U1.57
Net-(U1-Pad61): U1.61
Net-(U1-Pad63): U1.63
Net-(U1-Pad67): U1.67
Net-(U1-Pad69): U1.69
Net-(U1-Pad82): U1.82
Net-(U1-Pad84): U1.84
Net-(U1-Pad85): U1.85
Net-(U1-Pad86): U1.86
Net-(U1-Pad88): U1.88
Net-(U1-Pad90): U1.90
Net-(U1-Pad92): U1.92
Net-(U1-Pad96): U1.96
Net-(U1-Pad120): U1.120
Net-(U1-Pad130): U1.130
Net-(U1-Pad132): U1.132
Net-(U1-Pad133): U1.133
Net-(U1-Pad135): U1.135
Net-(U1-Pad136): U1.136
Net-(U1-Pad137): U1.137
Net-(U1-Pad142): U1.142
Net-(U1-Pad144): U1.144
Net-(U1-Pad146): U1.146
Net-(U1-Pad147): U1.147
Net-(U1-Pad148): U1.148
Net-(U1-Pad149): U1.149
Net-(U1-Pad150): U1.150
Net-(U1-Pad151): U1.151
Net-(U1-Pad153): U1.153
Net-(U1-Pad154): U1.154
Net-(U1-Pad155): U1.155
Net-(U1-Pad156): U1.156
Net-(U1-Pad157): U1.157
Net-(U1-Pad158): U1.158
Net-(U1-Pad159): U1.159
Net-(U1-Pad160): U1.160
Net-(U1-Pad162): U1.162
Net-(U1-Pad182): U1.182
Net-(U1-Pad184): U1.184
Net-(U1-Pad186): U1.186
Net-(U1-Pad187): U1.187
Net-(U1-Pad188): U1.188
Net-(U1-Pad189): U1.189
Net-(U1-Pad190): U1.190
Net-(U1-Pad192): U1.192
Net-(U1-Pad194): U1.194
Net-(U1-Pad196): U1.196
Net-(U1-Pad198): U1.198
Net-(U1-Pad200): U1.200
Net-(U3-Pad5): U3.5
Net-(U3-Pad7): U3.7
Net-(U3-Pad30): U3.30
Net-(U4-Pad3): U4.3
Net-(U4-Pad5): U4.5
Net-(U4-Pad7): U4.7
Net-(U4-Pad9): U4.9
Net-(U4-Pad28): U4.28
Net-(U5-Pad1): U5.1 Y4.1
Net-(U5-Pad2): U5.2 Y4.2
Net-(U6-Pad7): U6.7
Net-(U6-Pad13): U6.13
Net-(U7-Pad5): U7.5
Net-(U8-Pad4): U8.4
Net-(U8-Pad5): U8.5
Net-(U8-Pad6): U8.6
Net-(U8-Pad15): U8.15
Net-(U8-Pad16): U8.16
Net-(U8-Pad17): U8.17
Net-(U9-Pad5): U9.5
Net-(U9-Pad6): U9.6
Net-(U9-Pad7): U9.7
Net-(U9-Pad28): U9.28
Net-(U9-Pad40): U9.40
Net-(U10-Pad4): U10.4
Net-(U10-Pad5): U10.5
Net-(U10-Pad6): U10.6
Net-(U10-Pad7): U10.7
Net-(U10-Pad8): U10.8
Net-(U10-Pad9): U10.9
Net-(U10-Pad10): U10.10
Net-(U10-Pad11): U10.11
Net-(U10-Pad12): U10.12
Net-(U10-Pad13): U10.13
Net-(U10-Pad44): U10.44
Net-(U10-Pad45): U10.45
Net-(U10-Pad46): U10.46
Net-(U10-Pad47): U10.47
Net-(U10-Pad50): U10.50
Net-(U10-Pad54): U10.54
Net-(U10-Pad55): U10.55
Net-(U10-Pad56): U10.56
Net-(U10-Pad57): U10.57
Net-(U10-Pad58): U10.58
Net-(U10-Pad60): U10.60
Net-(U11-Pad1): U11.1
Net-(U11-Pad3): U11.3
Net-(U11-Pad5): U11.5
Net-(U11-Pad7): U11.7
Net-(U11-Pad8): U11.8
Net-(U11-Pad10): U11.10
Net-(U11-Pad12): U11.12
Net-(U11-Pad14): U11.14
Net-(U11-Pad16): U11.16
Net-(U11-Pad17): U11.17
Net-(U11-Pad19): U11.19
Net-(U11-Pad30): U11.30
Net-(U11-Pad32): U11.32
Net-(U11-Pad36): U11.36
Net-(U11-Pad38): U11.38
Net-(U11-Pad42): U11.42
Net-(U11-Pad45): U11.45
Net-(U11-Pad46): U11.46
Net-(U11-Pad47): U11.47
Net-(U11-Pad49): U11.49
Net-(U11-Pad51): U11.51
Net-(U12-Pad5): U12.5
Net-(U23-Pad17): U23.17
Net-(U23-Pad18): U23.18
Net-(U23-Pad19): U23.19
Net-(U23-Pad20): U23.20

Pads without a net: J2 MP; J11 5 6; J13 MP; J15 MP; U1 SH1 SH2; U10 14; U11 53 54; U17 4

## Via types
v1: diameter 0.8, hole 0.4, Top to Bottom, 1086 vias

## Routing (per net, layer and track width the routed paths; a pad name or vN(x,y) marks a point on that pad's centre or on a via; arc(x,y) is an arc through that point)
3V3_PWR_AUX: length 87.4
  Top w0.5: FB1.1 v1(37.8,19.35) ; v1(38.95,73.4) 39.75,74.2 U27.1 ; 42.11,74.25 FB14.1
  Top w0.7: U27.1 42.14,74.2 FB14.1 ; R98.2 v1(57.2,68.2)
  Power.Cu w0.7: v1(57.2,68.2) v1(56.2,68.2) 56.2,71.7 53.6,74.3 39.85,74.3 v1(38.95,73.4)
  Bottom w0.5: v1(38.95,73.4) 36.25,70.7 36.25,56.75 33.55,54.05 33.55,23.6 v1(37.8,19.35)
+1V2: length 62.7
  Top w0.25: L6.2 77,19.7 78.5,18.2 R178.1
  Top w0.4: v1(70.4,22.9) 70.3,23 61.54,23 FB2.1
  Top w0.5: v1(61.05,53.35) FB12.1
  Top w0.6: v1(71.5,21.7) C37.1 ; v1(71.5,21.7) L6.2 ; v1(71.5,21.7) C36.1
  Power.Cu w0.6: 62.3,51.8 61.05,53.05 v1(61.05,53.35)
  Power.Cu w1: 62.3,51.8 64.7,49.4 64.7,35.5 71.5,28.7 v1(71.5,21.7)
  vias: v1(71.5,22.9) v1(72.7,22.9)
+1V5: length 124.7
  Top w0.25: R180.1 88.91,8.8 90.1,8.8 91.6,10.3 91.6,17.15 89.75,19 L7.2
  Top w0.5: U11.6 81.5,79.29 C119.1 C120.1 80.4,77 79.6,77.8 v1(79.6,78) ; U11.28 69.5,80.5 v1(69.2,80.2) 68,79 v1(67.7,79) v1(66.1,79) 63.1,79 61.5,80.6 U11.48
  Top w0.6: v1(84.2,21.1) C38.1 ; v1(84.2,21.1) C34.1 ; v1(84.2,21.1) 84.3,21 L7.2 84.3,22.1 84.2,22.2
  Power.Cu w0.5: v1(79.6,78) 78.1,79.5 70.47,79.5 69.77,80.2 v1(69.2,80.2)
  Power.Cu w1: v1(67.7,79) 67.1,78.4 66.7,78.4 ; v1(84.2,22.4) 78,28.6 78,62.7 66.7,74 66.7,78.4 ; 66.7,78.4 v1(66.1,79)
  vias: v1(83.1,22.4) v1(85.3,22.4)
+1V8: length 237.6
  Top w0.25: U10.63 39.21,56.5 38,55.29 ; v1(41.45,66.15) 41.45,65.01 42.16,64.3 45.35,64.3 45.5,64.45 U10.42 ; C112.1 41.39,70.4 v1(41.4,70.4) ; R132.2 57.76,49.96 v1(57.84,50.04) ; U10.53 38.41,61.5 C114.1
  Top w0.5: 33.71,53.29 32.85,54.15 32.85,61.15 ; 33.71,53.29 C117.1 36.2,54 37.19,54.99 C115.1 ; 33.71,53.29 33.71,50.29 34.5,49.5 45.1,49.5 v1(45.8,50.2) 47.01,50.2 R131.2 ; 63.69,55.89 v1(63.69,54.29) ; 32.85,61.15 32.05,61.95 32.05,67 33.4,68.35 39.4,68.35 40.49,69.44 C112.1 ; 32.85,61.15 33.15,60.85 35.46,60.85 37.03,62.41 C114.1
  Top w0.6: 63.69,55.89 C130.1 64.45,60.46 U17.2 ; v1(59.6,51.8) 61.2,51.8 v1(63.69,54.29)
  Top w1: R65.2 156.55,40.75 v1(156.45,40.65)
  Power.Cu w0.6: v1(59.6,51.8) v1(57.84,50.04) 57.67,50.2 v1(45.8,50.2)
  Power.Cu w1: v1(63.69,54.29) 66.7,51.28 66.7,36.45 79.3,23.85 79.3,19.5 84.4,14.4 92.3,14.4 96.6,18.7 123.75,18.7 127.55,22.5 137.85,22.5 156,40.65 v1(156.45,40.65)
  Bottom w0.25: v1(41.45,66.15) 41.45,70.35 v1(41.4,70.4)
+3V3: length 649.2
  Top w0.25: v1(73.2,70.3) 73.24,70.34 R196.2 ; R119.1 187.09,74.79 v1(187.3,75) ; J19.1 201,65.4 199.35,67.05 193.35,67.05 ; R170.2 R169.2 ; R169.2 189.59,59.7 188.37,59.7 187.19,60.88 R171.2 186.39,61.3 184.79,61.3 R168.1 ; R169.2 190.39,59.21 v1(191.2,58.4) ; v1(180.75,52.75) R135.1 178.79,51.36 177.9,50.47 171.24,50.47 R136.1 ; R48.2 26.04,83 23.79,83 R46.2 R197.2 R192.1 ; R48.2 R47.2 ; R48.2 32.74,76.3 v1(35.7,76.3) 37.5,78.1 R2.2 ; R117.1 187.29,77.21 v1(187.3,77.2) R118.1 188.51,78.01 189,78.5 194.05,78.5 195.05,79.5 ; 132.25,9.29 132.3,9.24 ; v1(35.7,75.05) 34,75.05 33.55,74.6 33.55,73.75 30.4,70.6 24.9,70.6 23.71,69.41 C29.1 23.59,69.12 R161.1 ; FB21.1 235.95,50.44 235.95,46.11 FB18.1 235.63,44.8 235.07,44.25 235.07,39.54 FB20.1 236.5,36.39 R187.1 ; D11.2 189.56,92.1 190.6,92.1 191.7,91 v1(191.7,88.9) ; R113.2 R115.1 132.25,9.39 v1(132.25,11)